# Altium PCB 控制板.PcbDoc (part 9 of 12)
Units mil, origin at the board's own origin, x right, y up, seen from the top; angles counter-clockwise.
Board outline 8150.4 x 2246.9 mil, 6 copper layers (TopLayer, MidLayer1, MidLayer2, MidLayer3, MidLayer4, BottomLayer); 1570 components, 853 nets, 4888 pads, 1859 vias.
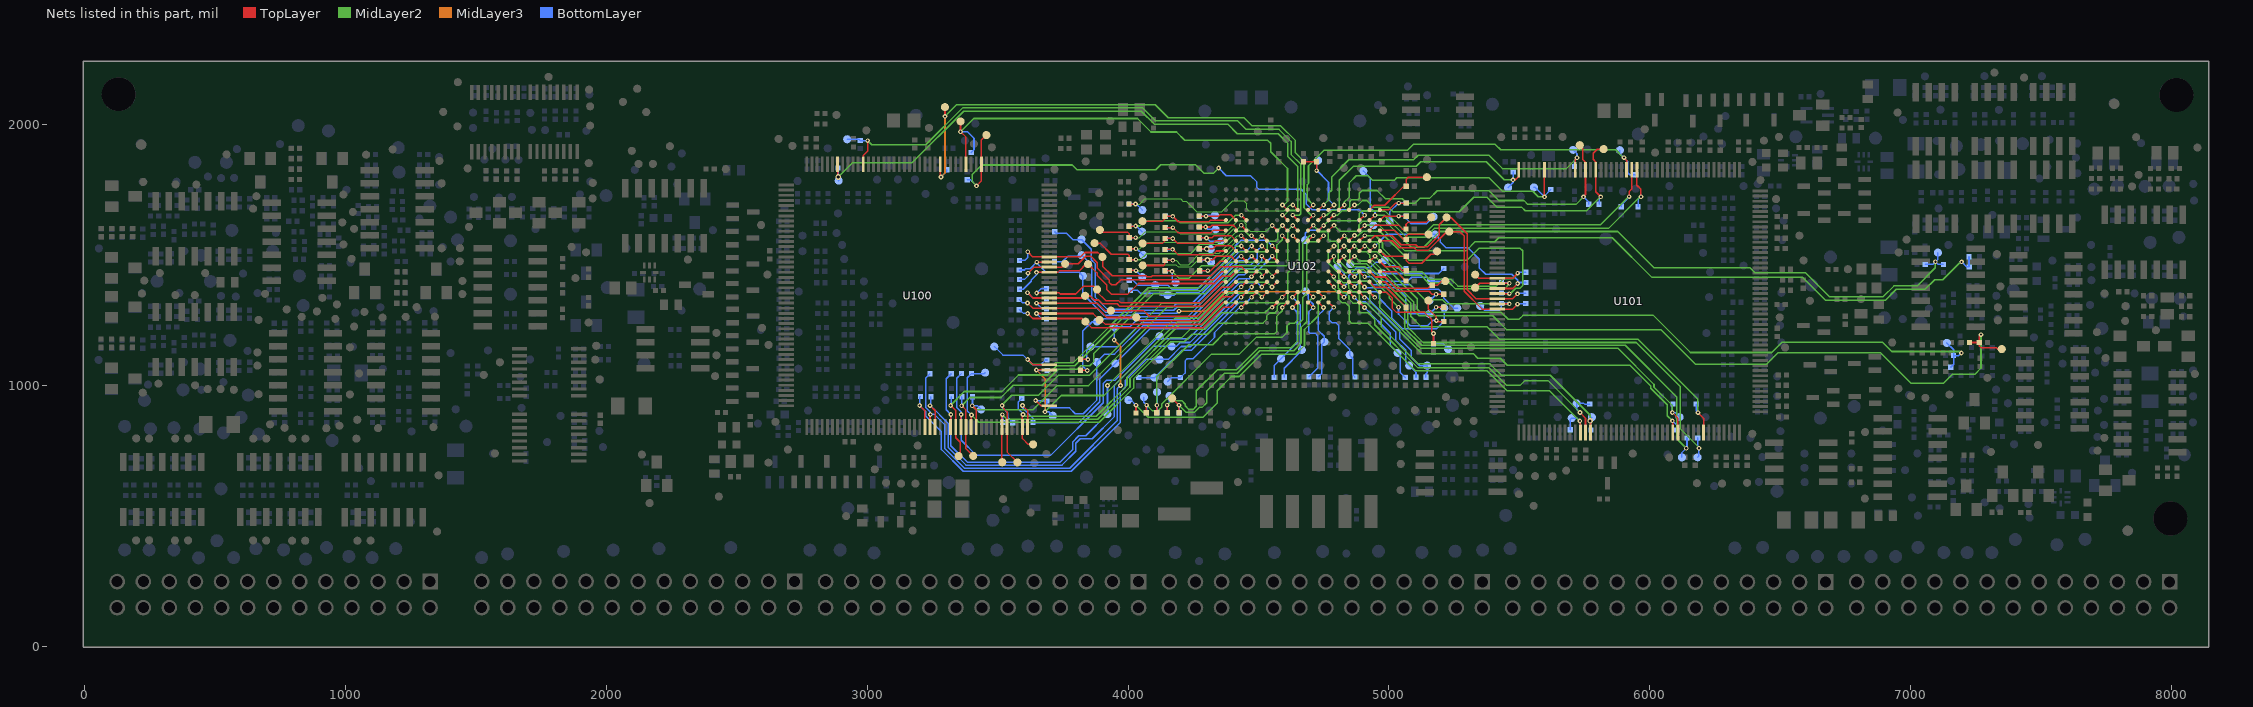
[diagram p13: the nets of this part, all layers, seen from the top]

## Via types
v1: diameter 18, hole 8, TopLayer to BottomLayer, tented both sides, 1737 vias
v2: diameter 20, hole 12, TopLayer to BottomLayer, tented both sides, 71 vias
v3: diameter 22, hole 12, TopLayer to BottomLayer, tented both sides, 51 vias

## Nets (pads, with @x,y where several pads share a name; then routed paths per layer and width w, separated by ;. In a path a pad name is that pad's centre, name@x,y a point inside that pad or via, vN(x,y) a via of type N, cw(c..) or ccw(c..) an arc to the next point about the centre after c; other vN are vias at no path point) (continued)
U102-E3_0: pad.228 R437.2 U102.E3 | length 361.4
  TopLayer w6: U102.E3@4886.76,1318.98 v1(4906.9,1299.2)
  BottomLayer w6: v1(4906.9,1299.2) 5005.7,1200.4 5005.7,1153.4 5043.2,1115.9 5043.2,1050.8 R437.2@5063.2,1030.8
U102-E6_0: pad.227 R442.2 U102.E6 | length 351.9
  TopLayer w6: U102.E6@4768.65,1318.98 v1(4788.8,1299.8)
  BottomLayer w6: v1(4788.8,1299.8) 4771.3,1282.3 4771.3,1251.5 4782.8,1240 4797.6,1240 4807.8,1229.8 4807.8,1180.4 4849.4,1138.8 pad.227@4849.4,1117.1 4861.9,1104.6 4861.9,1040.5 R442.2@4869.9,1032.5
U102-E7_0: pad.203@4752.8,1167.5 R446.2 U102.E7 | length 321.1
  TopLayer w6: U102.E7@4729.28,1318.98 v1(4749.2,1299)
  BottomLayer w6: R446.2@4730.3,1033.7 4742.4,1045.8 4742.4,1157.1 4752.4,1167.1 4752.4,1189.2 4728.6,1213 4728.6,1268.4 4749.2,1289 v1(4749.2,1299)
U102-E8_0: pad.200@4681.5,1360.9 R447.2 U102.E8 | length 415
  TopLayer w6: U102.E8@4689.91,1318.98 v1(4710.1,1299.2)
  BottomLayer w6: pad.200@4681.5,1360.9 4691.7,1350.7 4691.7,1330.3 4710.1,1311.9 v1(4710.1,1299.2) 4692.4,1281.5 4692.4,1206 4698.6,1199.8 4718.8,1199.8 4727.4,1191.2 4727.4,1067.5 R447.2@4693.6,1033.7
U102-E9_0: pad.224@4586.9,1103 R449.2 U102.E9 | length 340.3
  TopLayer w6: v1(4630.9,1299.2) U102.E9@4650.54,1318.98
  BottomLayer w6: R449.2@4559.9,1031.2 4559.9,1076 4649,1165.1 4649,1281.1 v1(4630.9,1299.2)
U102-E10_0: C284.2 pad.238@4111.1,975 R117.2 U102.E10 | length 878.5
  TopLayer w6: R117.2@4110.3,895.6 v1(4110.3,924.4) ; v1(4591.5,1299) U102.E10@4611.17,1318.98
  MidLayer2 w6: v1(4110.3,924.4) 4110.3,1034.2 4232.8,1156.7 4324.4,1156.7 4366.9,1199.2 4562.3,1199.2 4570.7,1207.6 4570.7,1266.3 4591.5,1287.1 v1(4591.5,1299)
  BottomLayer w6: C284.2@4111.1,895.4 pad.238@4111.1,975
U102-E11_0: pad.181@3517.8,705.9 R494.2 U100.83 U102.E11 | length 1480.9
  TopLayer w6: pad.181@3517.8,705.9 3516.43,707.27 3516.43,886.63 v1(3518.2,888.4) ; v1(4552.6,1299.6) U102.E11@4571.8,1318.98
  MidLayer2 w6: v1(3518.2,888.4) 3535.9,870.7 3884.2,870.7 4007.6,994.1 4007.6,1027.2 4162.9,1182.5 4205.2,1182.5 4237.7,1215 4294.4,1215 4358.2,1278.8 4524.1,1278.8 4544.9,1299.6 v1(4552.6,1299.6)
  BottomLayer w6: v1(3518.2,888.4) 3519.4,887.2 R494.2@3519.4,857.9
U102-E14_0: pad.237@4151.5,1014.6 R465.1 U102.E14 | length 466.3
  TopLayer w6: v1(4434,1299.2) U102.E14@4453.69,1318.98
  BottomLayer w6: pad.237@4151.5,1014.6 4167.4,1030.5 R465.1@4201.5,1030.5 4218.6,1047.6 4218.6,1094.2 4226.9,1102.5 4249.4,1102.5 4331.5,1184.6 4331.5,1202.9 4427.8,1299.2 v1(4434,1299.2)
U102-E15_0: pad.171@3836.9,1245.3 R502.1 U100.106 U102.E15 | length 900
  TopLayer w6: v1(3615.1,1276.5) 3634.61,1256.99 3825.21,1256.99 3859.9,1222.3 4288.4,1222.3 4366.4,1300.3 4395.64,1300.3 U102.E15@4414.32,1318.98
  BottomLayer w6: R502.1@3582.8,1290.9 3585,1290.9 3599.4,1276.5 v1(3615.1,1276.5)
U102-E16_0: pad.170@3890.1,1251.9 R479.2 U100.107 U102.E16 | length 824
  TopLayer w6: v1(3649.4,1276.1) 3866.1,1276.1 3890.9,1251.3 3896.5,1251.3 3913.4,1234.4 4280.9,1234.4 4365.48,1318.98 U102.E16@4374.95,1318.98
  BottomLayer w6: v1(3649.4,1276.1) 3670,1255.5 R479.2@3687,1255.5
U102-F1_0: C250.2 pad.206@5227.4,1140 R80.1 U102.F1 | length 463.3
  TopLayer w6: U102.F1@4965.5,1358.35 4990.15,1358.35 5012.4,1336.1 5012.4,1297.1 5029.2,1280.3 5137.1,1280.3 5164,1253.4 5164,1207.2 5171.1,1200.1 R80.1@5171.1,1161.1
  BottomLayer w6: v1(5171.5,1199.8) 5171.5,1161.2 5206.2,1161.2 pad.206@5227.4,1140
U102-F2_0: pad.110@3826.9,1420 R506.1 U100.117 U102.F2 | length 1623.8
  TopLayer w6: v1(3650.1,1473.2) 3650.42,1473.52 U100.117@3697.8,1473.52 ; U102.F2@4926.13,1358.35 v1(4945.9,1338.2)
  MidLayer3 w6: v1(4195.5,1285) 4303.2,1285 4377,1358.8 4925.3,1358.8 v1(4945.9,1338.2)
  BottomLayer w6: R506.1@3583.2,1443 3603.1,1443 3608.3,1448.2 3625.1,1448.2 v1(3650.1,1473.2) 3650.1,1469.8 3685.9,1434 3812.9,1434 3826.7,1420.2 3826.7,1351.5 3909.2,1269 4016.9,1269 4024.6,1276.7 4187.2,1276.7 v1(4195.5,1285)
U102-F3_0: pad.230@5146.9,1076.3 R435.2 U102.F3 | length 457.6
  TopLayer w6: U102.F3@4886.76,1358.35 v1(4906.7,1338)
  BottomLayer w6: v1(4906.7,1338) 4914.8,1338 5041.5,1211.3 5041.5,1178.9 5086.3,1134.1 5086.3,1108 5118,1076.3 pad.230@5146.9,1076.3 5146.9,1049.1 5141.9,1044.1 R435.2@5141.9,1032.1
U102-F4_0: pad.231@5078,1076.7 R436.2 U102.F4 | length 447.8
  TopLayer w6: U102.F4@4847.39,1358.35 v1(4867.6,1338.2)
  BottomLayer w6: v1(4867.6,1338.2) 4885.5,1320.3 4911.5,1320.3 5025.9,1205.9 5025.9,1174.7 5064.9,1135.7 5064.9,1089.8 5104,1050.7 R436.2@5104,1032.1
U102-F5_0: pad.197@5212.4,1297.1 R431.1 U102.F5 | length 567.2
  TopLayer w6: U102.F5@4808.02,1358.35 v1(4828.4,1338.6)
  BottomLayer w6: v1(4828.4,1338.6) 4849,1359.2 4955.2,1359.2 4962.8,1351.6 4962.8,1334.6 5010.3,1287.1 5010.3,1260.9 5054.1,1217.1 5181.9,1217.1 5212.4,1247.6 pad.197@5212.4,1297.1
U102-F7_0: pad.137@4001.1,944.2 R119.2 U102.F7 | length 1118.3
  TopLayer w6: R119.2@4030.5,895.2 4030.5,924.2 v1(4030.9,924.6) ; U102.F7@4729.28,1358.35 v1(4749.9,1338.8)
  MidLayer2 w6: v1(4030.9,924.6) 4077.3,878.2 4287.4,878.2 4342.1,932.9 4342.1,980.4 4396.3,1034.6 4426.1,1034.6 4511.8,1120.3 4643.4,1120.3 4676.7,1153.6 4676.7,1215.2 4729,1267.5 4729,1317.9 v1(4749.9,1338.8)
  BottomLayer w6: pad.137@4001.1,944.2 4011.3,944.2 v1(4030.9,924.6)
U102-F8_0: C282.2 pad.188@4169.4,950.5 R115.2 U102.F8 | length 936.5
  TopLayer w6: pad.188@4169.4,950.5 4194.9,925 R115.2@4194.9,895.6 ; U102.F8@4689.91,1358.35 v1(4710.3,1339.2)
  MidLayer2 w6: v1(4195.1,924.8) 4222.8,897.1 4254,897.1 4273,916.1 4283.2,916.1 4301.5,934.4 4301.5,979 4369.6,1047.1 4418.4,1047.1 4504.7,1133.4 4634.9,1133.4 4663.2,1161.7 4663.2,1222.5 4685.7,1245 4685.7,1314.6 v1(4710.3,1339.2)
  BottomLayer w6: v1(4195.1,924.8) 4196.5,923.4 C282.2@4196.5,894.6
U102-F9_0: pad.225@4666.5,1136.3 R448.2 U102.F9 | length 372.3
  TopLayer w6: v1(4630.7,1338.4) U102.F9@4650.54,1358.35
  BottomLayer w6: R448.2@4598.6,1032.1 4598.6,1066.7 4660.3,1128.4 4660.3,1308.8 v1(4630.7,1338.4)
U102-F10_0: pad.177@3636.1,774.2 R495.1 U100.87 U102.F10 | length 1451.2
  TopLayer w6: v1(3597.1,889) 3595.17,887.07 3595.17,796.83 3617.8,774.2 pad.177@3636.1,774.2 ; v1(4591.3,1338.4) U102.F10@4611.17,1358.35
  MidLayer2 w6: v1(3597.1,889) 3603.6,882.5 3878.2,882.5 3996.1,1000.4 3996.1,1032.6 4196.7,1233.2 4287.1,1233.2 4370.8,1316.9 4567.2,1316.9 4588.7,1338.4 v1(4591.3,1338.4)
  BottomLayer w6: R495.1@3592.8,950.5 3578.4,936.1 3578.4,911.3 3597.1,892.6 v1(3597.1,889)
U102-F12_0: pad.133@3711.5,884.2 R474.2 U100.96 U102.F12 | length 1355.7
  TopLayer w6: v1(3648.6,1059.4) 3649.34,1060.14 U100.96@3697.8,1060.14 ; v1(4513.2,1338.8) U102.F12@4532.43,1358.35
  MidLayer2 w6: v1(3681.9,899.2) 3744.4,961.7 3907.5,961.7 4191.1,1245.3 4276.7,1245.3 4386.2,1354.8 4497.2,1354.8 v1(4513.2,1338.8)
  MidLayer3 w6: v1(3648.6,1059.4) 3681.9,1026.1 v1(3681.9,899.2)
  BottomLayer w6: v1(3648.6,1059.4) 3650,1058 R474.2@3690.3,1058 ; v1(3681.9,899.2) 3696.5,899.2 pad.133@3711.5,884.2
U102-F13_0: pad.236@4101.5,1030.7 R466.1 U102.F13 | length 588.3
  TopLayer w6: v1(4473.8,1338.6) U102.F13@4493.06,1358.35
  BottomLayer w6: R466.1@4040.7,1030.5 4102.4,1030.5 4207.4,1135.5 4243.3,1135.5 4427.4,1319.6 4454.8,1319.6 v1(4473.8,1338.6)
U102-F14_0: pad.217@4121.1,1099.2 R535.1 U100.68 U102.F14 | length 1901.1
  TopLayer w6: v1(3200.9,923.2) 3221.16,902.94 U100.68@3221.16,840.8 ; v1(4433.8,1338.6) U102.F14@4453.69,1358.35
  BottomLayer w6: R535.1@3204,958 3200.9,954.9 3200.9,923.6 3224,900.5 3224,883 3284.4,822.6 3284.4,754.7 3367.8,671.3 3782.4,671.3 3970.7,859.6 3970.7,975 3989,993.3 3989,1019.2 4071,1101.2 4155,1101.2 4203.4,1149.6 4240.2,1149.6 4429.2,1338.6 v1(4433.8,1338.6)
U102-F15_0: pad.166@4031.5,1260.9 R503.1 U100.108 U102.F15 | length 910.1
  TopLayer w6: v1(3614.9,1316.7) 3635.24,1296.36 3882.74,1296.36 3918.2,1260.9 4030.9,1260.9 4043.2,1248.6 4270.3,1248.6 4361.3,1339.6 4395.57,1339.6 U102.F15@4414.32,1358.35
  BottomLayer w6: R503.1@3583.2,1329.6 3594.8,1318 3613.6,1318 v1(3614.9,1316.7)
U102-F16_0: pad.167@3934.4,1287.5 R480.2 U100.109 U102.F16 | length 833.4
  TopLayer w6: v1(3649,1315.7) 3883.2,1315.7 3911.6,1287.3 4059.1,1287.3 4080.9,1265.5 4266.5,1265.5 4359.35,1358.35 U102.F16@4374.95,1358.35
  BottomLayer w6: v1(3649,1315.7) 3671.7,1293 R480.2@3687.8,1293
U102-G1_0: pad.194@5155.7,1325.3 R77.2 U102.G1 | length 301.3
  TopLayer w6: U102.G1@4965.5,1397.72 4986.58,1397.72 5023.2,1361.1 5154.6,1361.1 5165.9,1349.8 R77.2@5210.9,1349.8
  BottomLayer w6: pad.194@5155.7,1325.3 5156.8,1325.3 v1(5181.5,1350)
U102-G2_0: R74.1 U102.G2 | length 180
  TopLayer w6: U102.G2@4926.13,1397.72 4947.15,1376.7 4989.7,1376.7 5065.7,1300.7 R74.1@5065.7,1300.5
U102-G3_0: pad.198@5155.7,1274.6 R78.2 U102.G3 | length 415.2
  TopLayer w6: U102.G3@4886.76,1397.72 v1(4906.9,1378) ; v1(5181.5,1300.3) 5210.1,1300.3 R78.2@5210.3,1300.5
  BottomLayer w6: v1(4906.9,1378) 4910.7,1374.2 5031.5,1374.2 5064.9,1340.8 5064.9,1288.3 5077.7,1275.5 5156.7,1275.5 v1(5181.5,1300.3)
U102-G4_0: pad.196@5262.4,1297.1 R432.1 U102.G4 | length 483.4
  TopLayer w6: U102.G4@4847.39,1397.72 v1(4868.2,1378.4)
  BottomLayer w6: v1(4868.2,1378.4) 4889,1399.2 4923.6,1399.2 4936.1,1386.7 5083.2,1386.7 5100.3,1369.6 5190.3,1369.6 5210.3,1349.6 5210.3,1335.8 5250.6,1295.5 pad.196@5263.6,1295.5
U102-G5_0: pad.188@4984.2,1481.5 R450.2 U102.G5 | length 329.5
  TopLayer w6: U102.G5@4808.02,1397.72 v1(4828.4,1378.4)
  BottomLayer w6: v1(4828.4,1378.4) 4846.1,1396.1 4846.1,1421.3 4876.1,1451.3 4928.2,1451.3 4950.3,1473.4 4991.1,1473.4 5004.9,1459.6 5021.2,1459.6 5031.6,1449.2 R450.2@5065.7,1449.2
U102-G6_0: pad.256@5701.1,875.3 R384.2 U101.145 U102.G6 | length 1362.1
  TopLayer w6: U102.G6@4768.65,1397.72 v1(4789,1378.2) ; v1(5732.4,864.4) 5734.37,862.43 U101.145@5734.37,819.9
  MidLayer2 w6: v1(4789,1378.2) 4789,1372.2 4806.9,1354.3 4806.9,1331.4 4820.5,1317.8 4834.2,1317.8 4847.8,1304.2 4847.8,1248 4857.2,1238.6 4920.5,1238.6 5103,1056.1 5377.1,1056.1 5452.7,980.5 5616.3,980.5 v1(5732.4,864.4)
  BottomLayer w6: R384.2@5695.3,830.8 5695.3,869.5 5700.8,875 5721.8,875 v1(5732.4,864.4)
U102-G11_0: pad.139@3920.9,890.3 R517.2 U100.73 U102.G11 | length 1998.8
  TopLayer w6: U100.73@3319.58,840.8 3319.58,888.08 v1(3320.5,889) ; v1(4551.9,1377.8) U102.G11@4571.8,1397.72
  MidLayer2 w6: v1(3921.3,1000) 4180.1,1258.8 4270.7,1258.8 4407.4,1395.5 4534.2,1395.5 v1(4551.9,1377.8)
  BottomLayer w6: R517.2@3321.9,1045.1 3302.8,1026 3302.8,906.7 3320.7,888.8 3320.7,769.2 3383.2,706.7 3740.3,706.7 3788.2,754.6 3788.2,783.8 3811.5,807.1 3837.7,807.1 3921.3,890.7 v1(3921.3,1000)
U102-G12_0: pad.136@3951.1,1084.8 R492.1 U100.88 U102.G12 | length 1358.1
  TopLayer w6: v1(3595.7,923.4) 3614.86,904.24 U100.88@3614.86,840.8 ; v1(4513,1377.8) U102.G12@4532.43,1397.72
  BottomLayer w6: v1(3595.7,923.4) 3595.7,914.6 3636.1,874.2 R492.1@3636.1,858 3811.6,858 3891.5,937.9 3891.5,1025.2 4083.4,1217.1 4250.3,1217.1 4428.2,1395 4495.8,1395 v1(4513,1377.8)
U102-G13_0: pad.216@4167.1,1149.9 R534.1 U100.70 U102.G13 | length 1904.9
  TopLayer w6: v1(3240.9,923) 3260.53,903.37 U100.70@3260.53,840.8 ; v1(4473.8,1377.8) U102.G13@4493.06,1397.72
  BottomLayer w6: R534.1@3244.4,956.7 3244.4,926.5 v1(3240.9,923) 3242.3,923 3309.9,855.4 3309.9,763.8 3378.7,695 3746.9,695 3799.9,748 3799.9,778.4 3817,795.5 3862.4,795.5 3947.8,880.9 3947.8,1000.5 4097.3,1150 4185.2,1150 4200.2,1165 4237.3,1165 4432.3,1360 4456,1360 v1(4473.8,1377.8)
U102-G14_0: pad.215@4121.2,1189.6 R516.2 U100.75 U102.G14 | length 1754.5
  TopLayer w6: U100.75@3358.95,840.8 3358.95,888.05 v1(3360.1,889.2) ; v1(4434.2,1378.2) U102.G14@4453.69,1397.72
  BottomLayer w6: R516.2@3361.1,1045.7 3343.6,1028.2 3343.6,915.5 3360.1,899 3360.1,790.7 3418.7,732.1 3702.8,732.1 3904.9,934.2 3904.9,1007.6 3916.9,1019.6 3949.4,1019.6 4109.4,1179.6 4232.3,1179.6 4430.9,1378.2 v1(4434.2,1378.2)
U102-G15_0: pad.169@3835.3,1344.2 R481.2 U100.110 U102.G15 | length 947.6
  TopLayer w6: v1(3614.9,1355.7) 3615.2,1355.7 3635.17,1335.73 3826.83,1335.73 3834.5,1343.4 3854.7,1343.4 3870.1,1328 3888,1328 3902.4,1313.6 3958.2,1313.6 3967.4,1304.4 4286.3,1304.4 4359,1377.1 4393.7,1377.1 U102.G15@4414.32,1397.72
  BottomLayer w6: v1(3614.9,1355.7) 3636,1334.6 3684.5,1334.6 R481.2@3687,1332.1
U102-G16_0: pad.168@3881.5,1368.4 R482.2 U100.111 U102.G16 | length 850.1
  TopLayer w6: v1(3649.6,1354.8) 3650.21,1355.41 3735.29,1355.41 3739.8,1350.9 3799.7,1350.9 3829.1,1380.3 3869.6,1380.3 pad.168@3881.5,1368.4 3881.5,1359 3914.8,1325.7 3963.6,1325.7 3972.6,1316.7 4278,1316.7 4359.02,1397.72 U102.G16@4374.95,1397.72
  BottomLayer w6: v1(3649.6,1354.8) 3666.1,1371.3 R482.2@3687.8,1371.3
U102-H1_0: R73.2 U102.H1 | length 115.9
  TopLayer w6: U102.H1@4965.5,1437.09 5029.41,1437.09 R73.2@5066.2,1400.3
U102-H2_0: pad.212@5216.5,1400.5 R76.1 U102.H2 | length 327.6
  TopLayer w6: U102.H2@4926.13,1437.09 4927.21,1437.09 4948.2,1416.1 4987.7,1416.1 5030,1373.8 5150.7,1373.8 5161.3,1384.4 5186.7,1384.4 5202.8,1400.5 pad.212@5216.5,1400.5
U102-H3_0: pad.193@5161.1,1399.2 R433.1 U102.H3 | length 350.9
  TopLayer w6: U102.H3@4886.76,1437.09 v1(4907.1,1417.1)
  BottomLayer w6: v1(4907.1,1417.1) 4933.6,1417.1 4950.7,1400 5071.9,1400 5087.4,1415.5 5144.8,1415.5 5160.7,1399.6 R433.1@5209.4,1399.6
U102-H4_0: pad.189@4976.5,1430 R434.1 U102.H4 | length 389.3
  TopLayer w6: U102.H4@4847.39,1437.09 v1(4868.2,1416.9)
  BottomLayer w6: v1(4868.2,1416.9) 4868.4,1416.9 4886.5,1435 4940.3,1435 4945.7,1429.6 5191.1,1429.6 R434.1@5210.7,1449.2
U102-H5_0: pad.186@4803,1455.3 R373.2 U101.163 U102.H5 | length 1709.7
  TopLayer w6: U102.H5@4808.02,1437.09 v1(4828.4,1417.5) ; v1(6087.1,864.8) 6088.69,863.2 U101.163@6088.69,819.9
  MidLayer2 w6: v1(4828.4,1417.5) 4834.3,1417.5 4856.3,1395.5 4877.6,1395.5 4887.4,1385.7 4887.4,1364.1 4892.7,1358.8 4916.1,1358.8 4926.1,1348.8 4926.1,1322.1 5125.7,1122.5 5323.3,1122.5 5340.8,1105 5426.9,1105 5453.9,1078 5924.4,1078 6004.4,998 6004.4,989.7 6067.4,926.7 6067.4,884.5 v1(6087.1,864.8)
  BottomLayer w6: pad.186@4803,1455.3 4828.4,1429.9 v1(4828.4,1417.5) ; v1(6087.1,864.8) 6103.6,848.3 R373.2@6103.6,829.6
U102-H6_0: pad.253@5720.1,931.5 R383.1 U101.146 U102.H6 | length 1431.9
  TopLayer w6: U102.H6@4768.65,1437.09 v1(4788.8,1417.5) ; v1(5732.8,896.3) 5754.05,875.05 U101.146@5754.05,819.9
  MidLayer2 w6: v1(4788.8,1417.5) 4788.8,1409.7 4805.9,1392.6 4805.9,1373 4823.2,1355.7 4835.1,1355.7 4847.1,1343.7 4847.1,1331.5 4862.3,1316.3 4879.6,1316.3 4886.5,1309.4 4886.5,1282.2 4890.1,1278.6 4921.1,1278.6 4945.5,1254.2 4945.5,1233.5 5110,1069 5383.2,1069 5451.9,1000.3 5503.1,1000.3 5521.8,1019 5610.1,1019 v1(5732.8,896.3)
  BottomLayer w6: v1(5732.8,896.3) 5720.1,909 pad.253@5720.1,931.5 5747.6,931.5 5750.3,928.8 R383.1@5770.5,928.8
U102-H11_0: pad.180@3576.1,705.5 R493.2 U100.84 U102.H11 | length 1621.8
  TopLayer w6: v1(3517.4,923.4) 3517.4,917.5 3536.12,898.78 3536.12,745.48 pad.180@3576.1,705.5 ; v1(4552.4,1417.3) U102.H11@4571.8,1437.09
  MidLayer2 w6: v1(3517.4,923.4) 3517.4,925.9 3554.5,963 3657,963 3734,1040 3853.2,1040 4128.2,1315 4278.1,1315 4409.4,1446.3 4530.3,1446.3 4552.4,1424.2 v1(4552.4,1417.3)
  BottomLayer w6: v1(3517.4,923.4) 3517.4,915.8 3539.4,893.8 3539.4,876.3 R493.2@3558.2,857.5
U102-H12_0: pad.131@3436.9,908.4 R512.2 U100.78 U102.H12 | length 1538.6
  TopLayer w6: v1(3402.6,922.5) 3418.01,907.09 U100.78@3418.01,840.8 ; v1(4513,1417.3) U102.H12@4532.43,1437.09
  MidLayer2 w6: v1(3402.6,922.5) 3402.9,922.5 3418.3,907.1 3636.1,907.1 3728.8,999.8 3848.6,999.8 4151.3,1302.5 4285.7,1302.5 4417.4,1434.2 4505.3,1434.2 4513,1426.5 v1(4513,1417.3)
  BottomLayer w6: R512.2@3403.6,957.2 3403.6,923.5 v1(3402.6,922.5) 3422.8,922.5 pad.131@3436.9,908.4
U102-H13_0: pad.135@3880.7,1090 R471.2 U100.89 U102.H13 | length 1250.5
  TopLayer w6: v1(3645.9,942.5) 3666.06,922.34 U100.89@3697.8,922.34 ; v1(4473.2,1417.5) U102.H13@4493.06,1437.09
  BottomLayer w6: v1(3645.9,942.5) 3687.5,942.5 3689.2,940.8 3689.2,922.3 3697.3,914.2 3775.7,914.2 3797.8,892.1 3828.6,892.1 3879.4,942.9 3879.4,1089.2 3910.7,1120.5 3948.2,1120.5 4056.1,1228.4 4244.1,1228.4 4425.3,1409.6 4465.3,1409.6 v1(4473.2,1417.5)
U102-H14_0: pad.162@3901.5,1493 R507.1 U100.118 U102.H14 | length 992.5
  TopLayer w6: v1(3615.5,1512.8) 3635.09,1493.21 3817.01,1493.21 3833.8,1510 3884.5,1510 3902.4,1492.1 3902.4,1457.7 3939.6,1420.5 4070.2,1420.5 4073.2,1417.5 4089.6,1417.5 4093,1420.9 4318,1420.9 4351.9,1454.8 4435.98,1454.8 U102.H14@4453.69,1437.09
  BottomLayer w6: R507.1@3584,1479.6 3604,1479.6 3615.5,1491.1 v1(3615.5,1512.8)
U102-H15_0: pad.161@3846.7,1465.3 R504.1 U100.115 U102.H15 | length 977.6
  TopLayer w6: v1(3649.4,1434) 3731.7,1434 3737.3,1439.6 3812.5,1439.6 3838.2,1465.3 3847.4,1465.3 3881.3,1431.4 3881.3,1422.6 3919.2,1384.7 3919.2,1366.9 3935.4,1350.7 3999.5,1350.7 4040.1,1391.3 4331.8,1391.3 4359.1,1418.6 4395.83,1418.6 U102.H15@4414.32,1437.09
  BottomLayer w6: R504.1@3583.6,1368.8 3598,1368.8 3629,1399.8 3629,1404.8 3649.4,1425.2 v1(3649.4,1434)
U102-H16_0: pad.160@3759,1466.7 R505.1 U100.116 U102.H16 | length 918.2
  TopLayer w6: v1(3616.7,1430.9) 3639.64,1453.84 U100.116@3697.8,1453.84 3745.64,1453.84 3758.5,1466.7 3808.8,1466.7 3837.6,1495.5 3857.8,1495.5 3882.1,1471.2 3882.1,1450.5 3928.4,1404.2 3928.4,1395.2 3937.5,1386.1 3952.8,1386.1 3972.6,1405.9 4327.6,1405.9 4358.79,1437.09 U102.H16@4374.95,1437.09
  BottomLayer w6: R505.1@3583.6,1406.7 3603.2,1406.7 3616.7,1420.2 v1(3616.7,1430.9)
U102-J1_0: R72.2 U102.J1 | length 115.9
  TopLayer w6: U102.J1@4965.5,1476.46 4986.66,1455.3 5037.7,1455.3 5052.7,1440.3 R72.2@5066.4,1440.3
U102-J2_0: C146.2 pad.317 R308.2 U102.J2 | length 2642.7
  TopLayer w6: U102.J2@4926.13,1476.46 v1(4946.7,1496.1)
  MidLayer2 w6: v1(4946.7,1496.1) 4946.7,1495.3 5109,1333 5109,1292.1 5120.2,1280.9 5430.3,1280.9 5457.4,1253.8 5499.4,1253.8 5514.4,1268.8 6014.4,1268.8 6156.5,1126.7 6468.2,1126.7 6507.4,1165.9 6892.8,1165.9 6928.2,1130.5 7189,1130.5 v1(7194.9,1124.6)
  BottomLayer w6: pad.317@7139.4,1163.4 7165.7,1137.1 7165.7,1081.7 R308.2@7154,1070 ; C146.2@7165.2,1115 7185.3,1115 v1(7194.9,1124.6)
U102-J4_0: pad.187@4851.9,1465.5 R378.1 U101.169 U102.J4 | length 1807.8
  TopLayer w6: U102.J4@4847.39,1476.46 v1(4868.2,1495.9) ; v1(6185.1,896.1) 6206.81,874.4 U101.169@6206.81,819.9
  MidLayer2 w6: v1(4868.2,1495.9) 4886.6,1477.5 4922.6,1477.5 5083.6,1316.5 5083.6,1265.2 5122.9,1225.9 5375.7,1225.9 5423.6,1178 5954.4,1178 6185.1,947.3 v1(6185.1,896.1)
  BottomLayer w6: pad.187@4851.9,1465.5 4851.9,1479.6 v1(4868.2,1495.9) ; R378.1@6178.6,928.8 6178.6,902.6 v1@6182.4,898.8
U102-J5_0: pad.262@6123.8,724.4 R372.1 U102.J5 | length 1874.5
  TopLayer w6: U102.J5@4808.02,1476.46 v1(4828.4,1495.9)
  MidLayer2 w6: v1(4828.4,1495.9) 4828.4,1488.5 4861.2,1455.7 4908,1455.7 5060.3,1303.4 5060.3,1220 5126.3,1154 5906.1,1154 6103.6,956.5 6103.6,796.3 v1(6140.3,759.6)
  BottomLayer w6: pad.262@6123.8,724.4 6123.8,743.1 6143.2,762.5 R372.1@6143.2,798.8
U102-J6_0: pad.260@6114.4,878.8 R380.1 U101.164 U102.J6 | length 1805.1
  TopLayer w6: U102.J6@4768.65,1476.46 v1(4789.2,1495.7) ; v1(6087.1,896.3) 6108.38,875.02 U101.164@6108.38,819.9
  MidLayer2 w6: v1(4789.2,1495.7) 4789.2,1475.3 4831.3,1433.2 4880.2,1433.2 4888,1425.4 4888,1406.1 4894.7,1399.4 4918.4,1399.4 4965.7,1352.1 4965.7,1298.2 5121.4,1142.5 5878.6,1142.5 6016.7,1004.4 6016.7,993.7 6087.1,923.3 v1(6087.1,896.3)
  BottomLayer w6: R380.1@6089,928.8 6087.1,926.9 v1(6087.1,896.3) 6098.2,896.3 6114.4,880.1 pad.260@6114.4,878.8
U102-J11_0: pad.116@3856.1,1149.6 R160.1 U102.J11 | length 953.9
  TopLayer w6: R160.1@3817.8,1100.7 3844.8,1100.7 v1(3845.9,1099.6) ; v1(4552.8,1495.9) U102.J11@4571.8,1476.46
  BottomLayer w6: v1(3845.9,1099.6) 3841.7,1103.8 3841.7,1135.2 3855.7,1149.2 3959.7,1149.2 4051.2,1240.7 4239.7,1240.7 4423.8,1424.8 4446.3,1424.8 4455.3,1433.8 4491.3,1433.8 4552.8,1495.3 v1(4552.8,1495.9)
U102-J12_0: pad.114@3946.5,1224.6 R538.1 U100.69 U102.J12 | length 2239.5
  TopLayer w6: U100.69@3240.84,840.8 3240.84,887.94 v1(3242.1,889.2) ; v1(4512.6,1495.9) U102.J12@4532.43,1476.46
  MidLayer3 w6: v1(3946.7,1174.8) 3971.1,1150.4 v1(3971.1,1000.5)
  BottomLayer w6: R538.1@3240.3,1045 3224.4,1029.1 3224.4,916 3242.1,898.3 v1(3242.1,889.2) 3257.6,889.2 3296.5,850.3 3296.5,759.9 3373.4,683 3776.5,683 3959,865.5 3959,988.4 v1(3971.1,1000.5) ; v1(3946.7,1174.8) 3946.7,1224.4 3946.9,1224.6 4006.7,1224.6 4034.4,1252.3 4235.2,1252.3 4430.4,1447.5 4481.1,1447.5 4512.6,1479 v1(4512.6,1495.9)
U102-J13_0: pad.106@3822.4,1499.6 R484.1 U102.J13 | length 1045.1
  TopLayer w6: v1(4474,1495.9) U102.J13@4493.06,1476.46
  BottomLayer w6: R484.1@3718.6,1474.2 3748.2,1474.2 3769.9,1495.9 3827.3,1495.9 3861.1,1462.1 3861.1,1333.4 3913.6,1280.9 4012.1,1280.9 4019.8,1288.6 4175.7,1288.6 4189.2,1302.1 4250.5,1302.1 4426.8,1478.4 4456.5,1478.4 v1(4474,1495.9)
U102-J14_0: pad.105@3821.5,1560.5 R487.1 U102.J14 | length 1048.2
  TopLayer w6: v1(4434,1495.7) U102.J14@4453.69,1476.46
  BottomLayer w6: R487.1@3719,1590 3725.2,1583.8 3764.4,1583.8 3789.4,1558.8 3822.8,1558.8 3859.4,1522.2 3859.4,1481.8 3873.6,1467.6 3873.6,1339.2 3919.6,1293.2 4007.8,1293.2 4016.1,1301.5 4172.5,1301.5 4184.8,1313.8 4244.5,1313.8 4426.4,1495.7 v1(4434,1495.7)
U102-J15_0: C287.1 pad.211@4318.4,1473 R137.2 U102.J15 | length 200.5
  TopLayer w6: R137.2@4273.8,1482.1 4324.6,1482.1 4338,1495.5 4395.28,1495.5 U102.J15@4414.32,1476.46